# Altium PCB Elevator.PcbDoc (part 1 of 2) (continued)
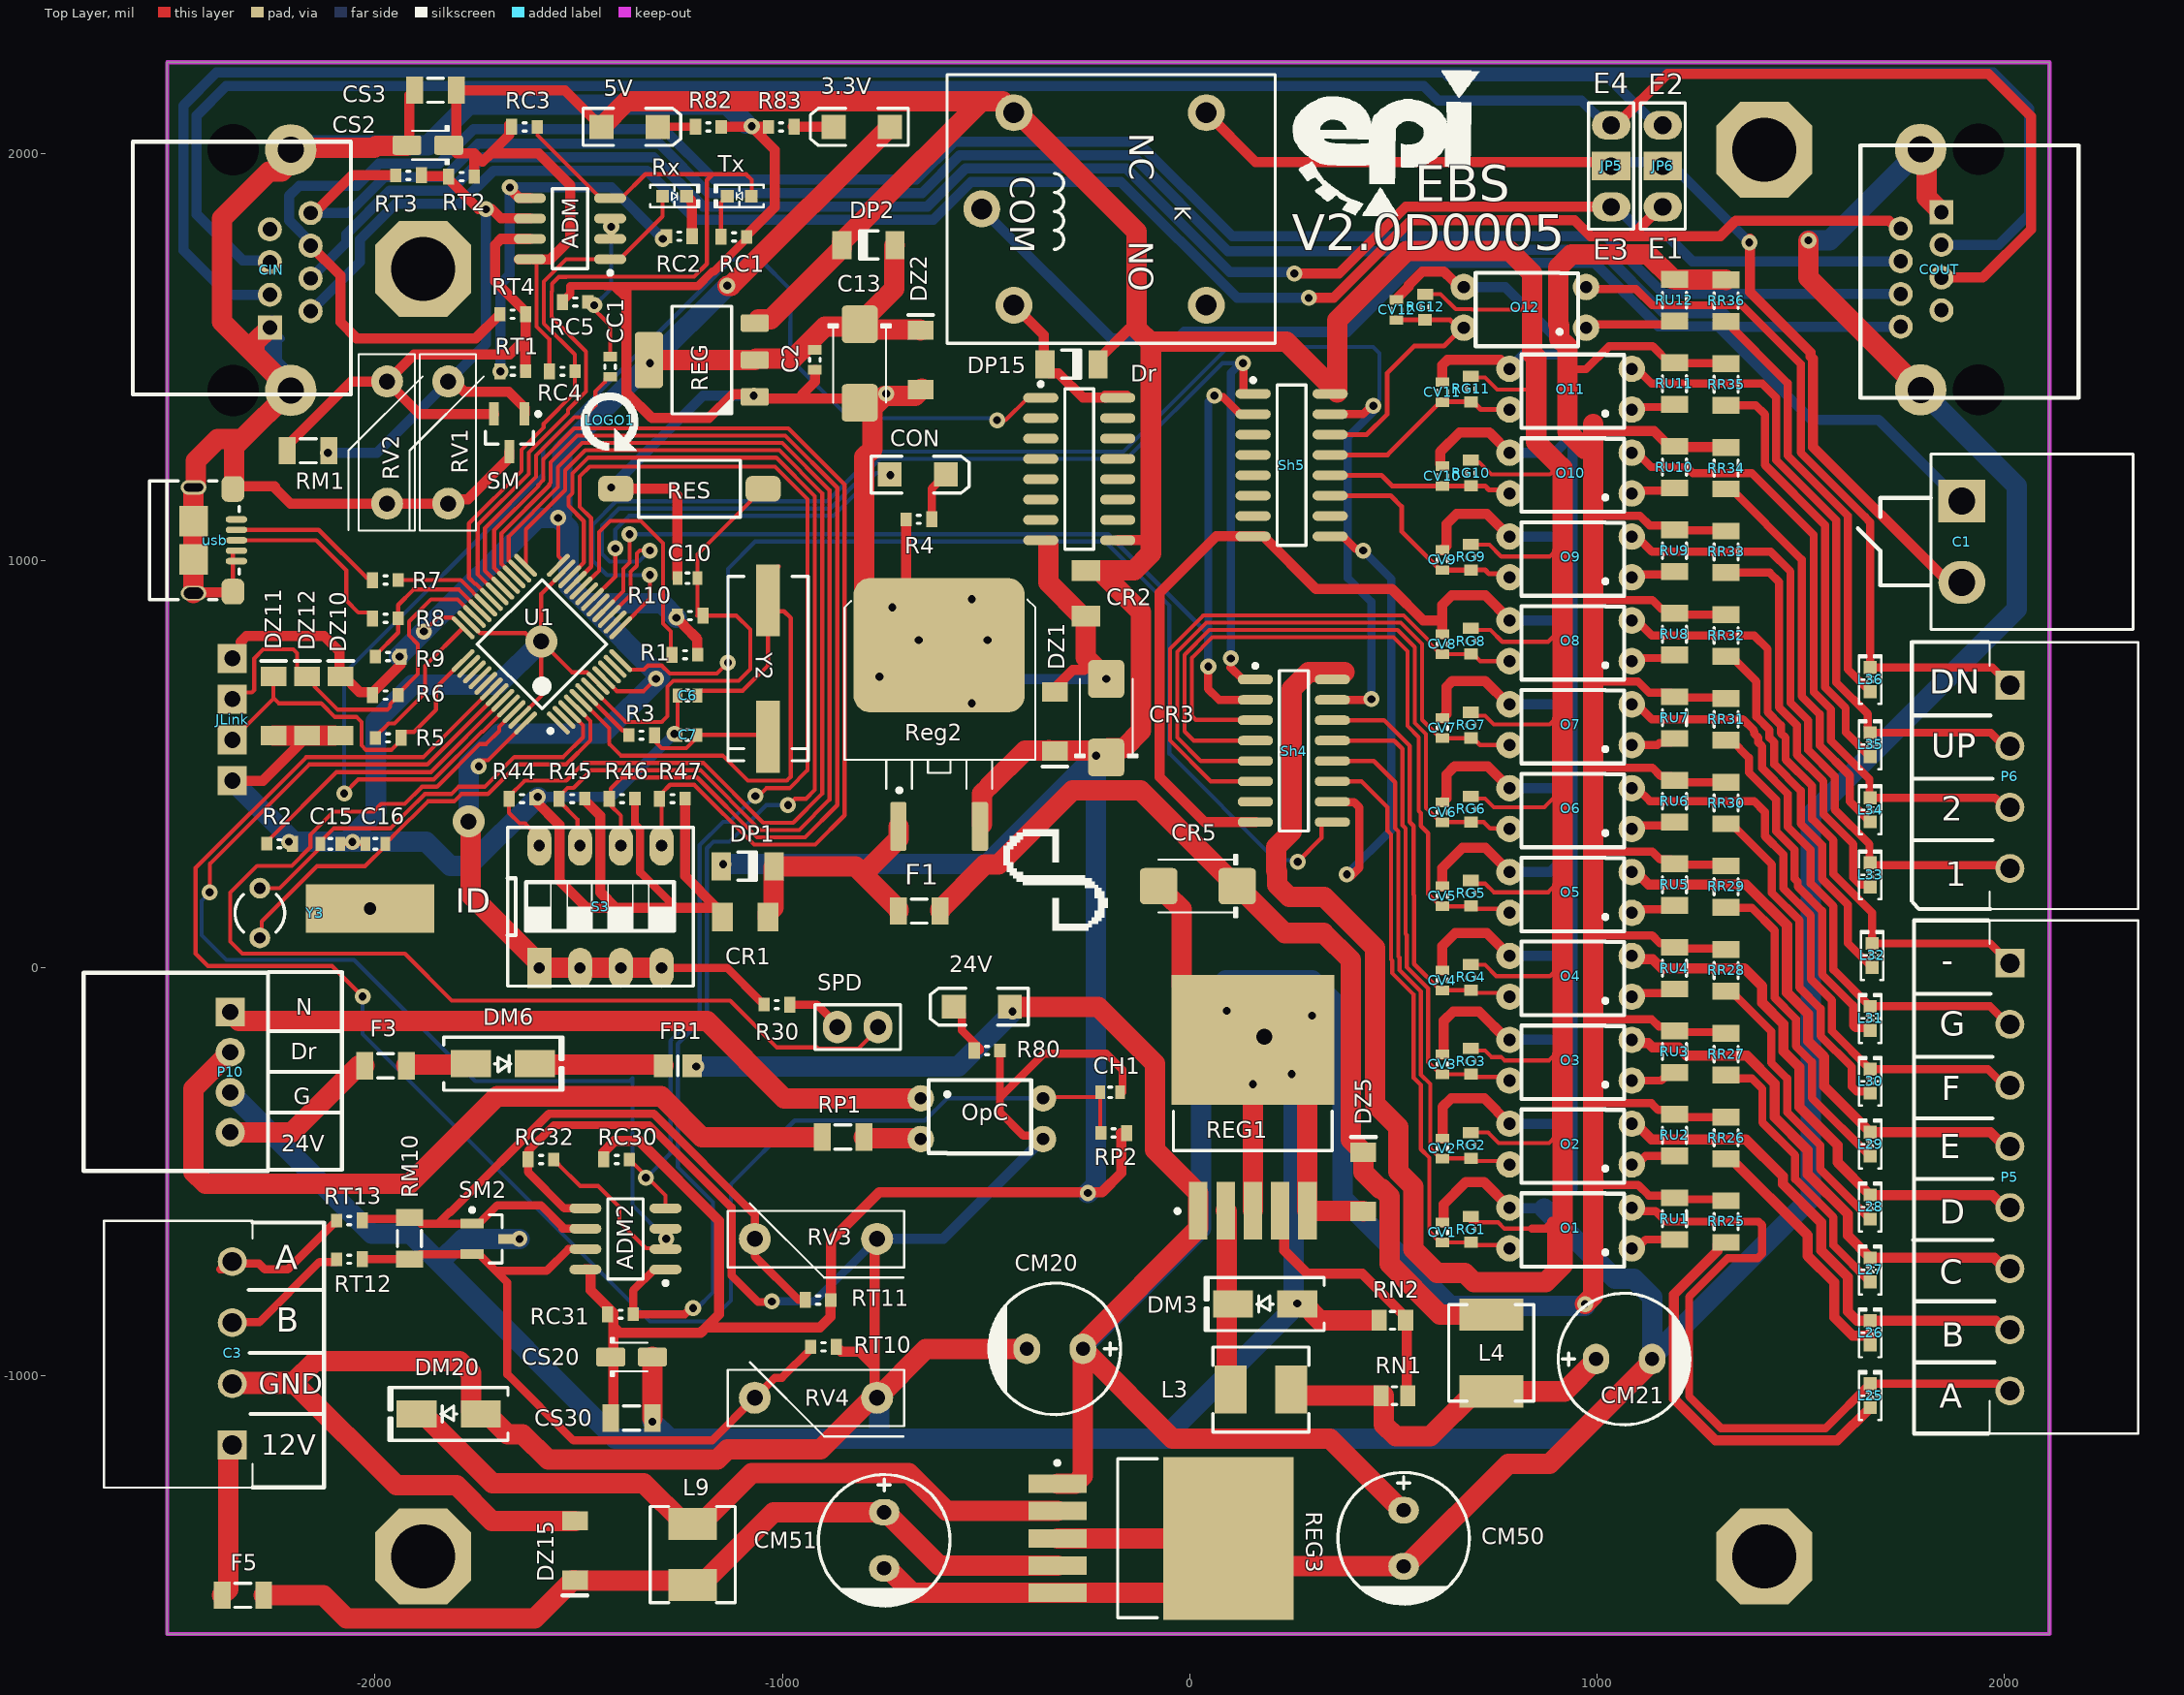
[diagram p0: Top Layer view]
## Components (designator, comment, footprint, x,y, rotation, side; value= is the part's Value field where it differs from the comment) (continued)
COUT "CN_MODJACK_8P" "CN_RJ45_TYCO_ DY122-8P8C-G" 1935.55,1419.41 r90 top
CR1 "330nF" 1206 -1091.44,125 r180 top
CR2 "100nF" 1206 -255,920 r270 top
CR3 "100uF" CAPMP6032X280N -205,613.21 r90 top
CR5 "100uF" CAPMP6032X280N 20,201.05 r180 top
CS2 "10uF" CAPMP3216X180N -1870,2020 r180 top
CS3 "100nF" SMD_CAP_1206 -1800,2155 r180 top
CS20 "10uF" CAPMP3216X180N -1370,-955 r0 top
CS30 "100nF" SMD_CAP_1206 -1421.18,-1105 r0 top
CV1 "1uF" SMD_CAP_0603 620,-649.28 r270 top
CV2 "1uF" SMD_CAP_0603 620,-442.95 r270 top
CV3 "1uF" SMD_CAP_0603 620,-236.62 r270 top
CV4 "1uF" SMD_CAP_0603 620,-30.28 r270 top
CV5 "1uF" SMD_CAP_0603 620,176.05 r270 top
CV6 "1uF" SMD_CAP_0603 620,382.38 r270 top
CV7 "1uF" SMD_CAP_0603 620,588.72 r270 top
CV8 "1uF" SMD_CAP_0603 620,795.05 r270 top
CV9 "1uF" SMD_CAP_0603 620,1001.38 r270 top
CV10 "1uF" SMD_CAP_0603 620,1207.72 r270 top
CV11 "1uF" SMD_CAP_0603 620,1414.05 r270 top
CV12 "1uF" SMD_CAP_0603 507.64,1615.26 r270 top
DM3 "1N5822" "DO214AC SMA" 185,-825 r180 top
DM6 "1N5822" "DO214AC SMA" -1686.04,-235 r0 top
DM20 "1N5822" "DO214AC SMA" -1818.58,-1095 r180 top
DP1 "1N4148" LL4148 -1085,250 r0 top
DP2 "1N4148" LL4148 -788.58,1775 r180 top
DP15 "1N4148" LL4148 -290,1482.34 r0 top
Dr "ULN2003" SO-16 -271.28,1225 r0 top
DZ1 "DZ5.6V 0.5W" Minimelf -330,605 r270 top
DZ2 "DZ3.6V 0.5W" Minimelf -661.28,1492.93 r90 top
DZ5 "DZ9.1V 0.5W" Minimelf 425.67,-525 r90 top
DZ10 "DZ3.6V 0.5W" Minimelf -2084.69,643.28 r90 top
DZ11 "DZ3.6V 0.5W" Minimelf -2249.61,643.28 r90 top
DZ12 "DZ3.6V 0.5W" Minimelf -2167.15,643.28 r90 top
DZ15 "DZ13V 0.5W" Minimelf -1507.88,-1430 r270 top
F1 "Fuse 1A 1206" "Fuse SMD 1206" -660,135 r0 top
F3 "Fuse 1A 1206" "Fuse SMD 1206" -1970,-245 r0 top
F5 "Fuse 1A 1206" "Fuse SMD 1206" -2320,-1545 r0 top
FB1 "BLM21PG" "R 0805 / 2012" -1256.6,-240 r180 top value=220OHM
JLink "Header Male Right 1x4" "Header 1x4 male rightangle" -2350,560 r90 top
JP5 "Jumper" "jumper selector" 1034.33,1868.8 r90 top
JP6 "Jumper" "jumper selector" 1161.11,1868.8 r90 top
K "Relay" "Relay 20x16x20 HJR" -510.37,1863.48 r270 top
L3 "Inductor" "CD45 SMD Inductor" 174.69,-1035 r0 top value=100uH3A
L4 "Inductor" "HPC6045 SMD INDUCTOR" 740,-945 r90 top value=22uH3A
L9 "Inductor" "CD45 SMD Inductor" -1220,-1440 r270 top value=100uH3A
L25 "RED" "LED 0603/1608 RED" 1670,-1050 r90 top
L26 "RED" "LED 0603/1608 RED" 1670,-895.61 r90 top
L27 "RED" "LED 0603/1608 RED" 1670,-741.22 r90 top
L28 "RED" "LED 0603/1608 RED" 1670,-586.83 r90 top
L29 "RED" "LED 0603/1608 RED" 1670,-432.44 r90 top
L30 "RED" "LED 0603/1608 RED" 1670,-278.05 r90 top
L31 "RED" "LED 0603/1608 RED" 1670,-123.66 r90 top
L32 "RED" "LED 0603/1608 RED" 1675,30.73 r90 top
L33 "RED" "LED 0603/1608 RED" 1670,228.62 r90 top
L34 "RED" "LED 0603/1608 RED" 1670,388.45 r90 top
L35 "RED" "LED 0603/1608 RED" 1670,548.28 r90 top
L36 "RED" "LED 0603/1608 RED" 1670,708.1 r90 top
LOGO1 "Warning!" "LOGO RESET" -1424.36,1345 r90 top
O1 "TLP521" PS2501-1 785,-688.26 r90 top
O2 "TLP521" PS2501-1 785,-482.33 r90 top
O3 "TLP521" PS2501-1 785,-276.4 r90 top
O4 "TLP521" PS2501-1 785,-70.47 r90 top
O5 "TLP521" PS2501-1 785,135.47 r90 top
O6 "TLP521" PS2501-1 785,341.4 r90 top
O7 "TLP521" PS2501-1 785,547.33 r90 top
O8 "TLP521" PS2501-1 785,753.26 r90 top
O9 "TLP521" PS2501-1 785,959.19 r90 top
O10 "TLP521" PS2501-1 785,1165.12 r90 top
O11 "TLP521" PS2501-1 785,1371.06 r90 top
O12 "TLP521" PS2501-1 672.64,1571.87 r90 top
OpC "PC814" PS2501-1 -360.05,-320 r270 top
P5 "XH8MR" "phonix 8pin right 3.81" 2013,11.92 r0 top
P6 "XH4MR" "phonix 4pin right 3.81" 2013,694.61 r0 top
P10 "XH4MR" CN_JST-B4B-S_XH -2355,-108.15 r90 top
R1 "10K" "RES 0603" -1207.61,768.99 r180 top
R2 "10K" "RES 0603" -2265,305 r0 top
R3 "390" "RES 0603" -1376.44,571.48 r0 top
R4 "500" "RES 0603" -696.29,1101.48 r0 top
R5 "10K" "RES 0603" -1998.99,565 r0 top
R6 "10K" "RES 0603" -1942.94,670 r180 top
R7 "20R" "RES 0603" -1942.94,952.44 r180 top
R8 "20R" "RES 0603" -1942.94,858.43 r180 top
R9 "1.5K" "RES 0603" -1998.99,764.42 r0 top
R10 "10K" "RES 0603" -1257.61,865.04 r0 top
R30 "10K" "RES 0603" -1045,-90 r0 top
R44 "10K" "RES 0603" -1607.75,415.53 r180 top
R45 "10K" "RES 0603" -1484.77,415.53 r180 top
R46 "10K" "RES 0603" -1361.79,415.53 r180 top
R47 "10K" "RES 0603" -1238.81,415.53 r180 top
R80 "5K" "RES 0603" -466.01,-202.6 r180 top
R82 "1K" "RES 0603" -1150,2065 r180 top
R83 "500" "RES 0603" -1033.99,2065 r0 top
RC1 "510" "RES 0603" -1087.68,1795 r180 top
RC2 "510" "RES 0603" -1284.36,1796.59 r0 top
RC3 "10k" "RES 0603" -1601.01,2065 r180 top
RC4 "10k" "RES 0603" -1508.91,1464.82 r180 top
RC5 "47K" "RES 0603" -1477.01,1635 r180 top
RC30 "10k" "RES 0603" -1375,-470 r180 top
RC31 "10k" "RES 0603" -1366.01,-850 r180 top
RC32 "10k" "RES 0603" -1561.01,-470 r180 top
REG "AMS1117-3.3" SOT223 -1197.53,1492.62 r180 top
REG1 "LM2576-Adj" TO-263-5 155,-341.75 r90 top
Reg2 "L7805" D2PAK-3 -615,570 r270 top value=variable
REG3 "LM2576-12" TO-263-5 -70.35,-1400 r0 top
RES "Button" "TE FSMSMTR" -1227.97,1176.48 r90 top
RG1 "20K" "RES 0603" 690,-673.28 r90 top
RG2 "20K" "RES 0603" 690,-466.94 r90 top
RG3 "20K" "RES 0603" 690,-260.61 r90 top
RG4 "20K" "RES 0603" 690,-54.28 r90 top
RG5 "20K" "RES 0603" 690,152.06 r90 top
RG6 "20K" "RES 0603" 690,358.39 r90 top
RG7 "20K" "RES 0603" 690,564.72 r90 top
RG8 "20K" "RES 0603" 690,771.06 r90 top
RG9 "20K" "RES 0603" 690,977.39 r90 top
RG10 "20K" "RES 0603" 690,1183.72 r90 top
RG11 "20K" "RES 0603" 690,1390.06 r90 top
RG12 "20K" "RES 0603" 577.64,1591.27 r90 top
RM1 "150" "RES 1206 (3216X08L)" -2112.8,1270 r180 top
RM10 "150" "RES 1206 (3216X08L)" -1915,-612.8 r270 top
RN1 "5.6K" "RES 0805 (2012X06L)" 470,-1050 r0 top
RN2 "1K" "RES 0805 (2012X06L)" 530,-865 r180 top
RP1 "180K" "RES 1206 (3216X08L)" -800,-415 r180 top
RP2 "20K" "RES 0603" -217.68,-405 r0 top
RR25 "5K" "RES 1206 (3216X08L)" 1316.14,-571.38 r270 top
RR26 "5K" "RES 1206 (3216X08L)" 1316.14,-365.86 r270 top
RR27 "5K" "RES 1206 (3216X08L)" 1316.14,-160.34 r270 top
RR28 "5K" "RES 1206 (3216X08L)" 1316.14,45.18 r270 top
RR29 "5K" "RES 1206 (3216X08L)" 1316.14,250.7 r270 top
RR30 "5K" "RES 1206 (3216X08L)" 1316.14,456.22 r270 top
RR31 "5K" "RES 1206 (3216X08L)" 1316.14,661.74 r270 top
RR32 "5K" "RES 1206 (3216X08L)" 1316.14,867.26 r270 top
RR33 "5K" "RES 1206 (3216X08L)" 1316.14,1072.78 r270 top
RR34 "5K" "RES 1206 (3216X08L)" 1316.14,1278.3 r270 top
RR35 "5K" "RES 1206 (3216X08L)" 1316.14,1483.82 r270 top
RR36 "5K" "RES 1206 (3216X08L)" 1316.14,1689.34 r270 top
RT1 "10K" "RES 0603" -1630.36,1464.82 r180 top
RT2 "10K" "RES 0603" -1756.33,1942.84 r180 top
RT3 "20" "RES 0603" -1948.74,1946 r0 top
RT4 "20" "RES 0603" -1693.35,1605 r0 top
RT10 "10K" "RES 0603" -930,-930 r0 top
RT11 "10K" "RES 0603" -881.01,-815 r180 top
RT12 "20" "RES 0603" -2093.99,-715 r0 top
RT13 "20" "RES 0603" -2093.99,-620 r0 top
RU1 "3.6K" "RES 1206 (3216X08L)" 1190,-564.28 r270 top
RU2 "3.6K" "RES 1206 (3216X08L)" 1190,-359.28 r270 top
RU3 "3.6K" "RES 1206 (3216X08L)" 1190,-154.28 r270 top
RU4 "3.6K" "RES 1206 (3216X08L)" 1190,50.72 r270 top
RU5 "3.6K" "RES 1206 (3216X08L)" 1190,255.72 r270 top
RU6 "3.6K" "RES 1206 (3216X08L)" 1190,460.72 r270 top
RU7 "3.6K" "RES 1206 (3216X08L)" 1190,665.72 r270 top
RU8 "3.6K" "RES 1206 (3216X08L)" 1190,870.72 r270 top
RU9 "3.6K" "RES 1206 (3216X08L)" 1190,1075.72 r270 top
RU10 "3.6K" "RES 1206 (3216X08L)" 1190,1280.72 r270 top
RU11 "3.6K" "RES 1206 (3216X08L)" 1190,1485.72 r270 top
RU12 "3.6K" "RES 1206 (3216X08L)" 1190,1690.72 r270 top
RV1 "Res Varistor 10D201K" "Varistor Short Hieght - Vertical" -1820,1290 r270 top
RV2 "Res Varistor 10D201K" "Varistor Short Hieght - Vertical" -1970,1290 r270 top
RV3 "Res Varistor 10D201K" "Varistor Short Hieght - Vertical" -917.42,-665 r0 top
RV4 "Res Varistor 10D201K" "Varistor Short Hieght - Vertical" -917.42,-1055 r0 top
Rx "RED" "LED 0603/1608 RED" -1264.36,1895 r0 top
S3 "SW DIP-4" "DIP Switch x4" -1596.29,0.52 r90 top
Sh4 "74HC165" SO-16 255.51,533.26 r0 top
Sh5 "74HC165" SO-16 250,1234.74 r0 top
SM "SM712 Diode" SOT23_BEC_M -1670,1313.94 r270 top
SM2 "SM712 Diode" SOT23_BEC_M -1715,-665 r0 top
SPD "Jumper" "Jumper Small - 2.54 - GRAY" -815,-145 r0 top
Tx "RED" "LED 0603/1608 RED" -1105.47,1895 r180 top
U1 "STM32F103CBT6" LQFP-48 -1590,795 r135 top
usb "USB Micro" "FCI USB 10118193-0001LF" -2443.03,1050.08 r90 top
Y2 "8 MHz" "Crystal SMD" -1035,712.88 r90 top
Y3 "32.768K" "XTAL RTC - Right" -2282.4,135 r0 top

## Footprints (in the part's own frame and the unit in brackets; to place one, negate y for a bottom-side part, rotate by r counter-clockwise, add the part's x,y. Pads: shape width x height; smd on the part's side, far side on the other; paste and mask are expansions set on the pad)
1206 [mm]
  rect 1.3x1.8 smd: 1(-1.425,0) 2(1.425,0)
  body extent -1.67,-0.87 1.68,0.87, height 0.71
"cap 03" [mil]
  oval 65x75 hole 35: 1(68.9,0) 2(-68.9,0)
  silkscreen extent -161,-161 161,161, body extent -159,-159 157,158, height 473
CAPMP3216X180N [mm] "Capacitor, polarized, Molded Body, EIA 535BAAC size A; 3.20mm L X 1.60mm W X 1.80mm H"
  round 0.508 on Mech15: 0(0,0)
  rrect25% 1.8x1.2 smd: 1(-1.3,0) 2(1.3,0)
  silkscreen extent -1.3,-1.2 1,1.2, body extent -1.6,-0.8 1.6,0.8, height 1.8
CAPMP6032X280N [mm] "Capacitor, polarized, Molded Body, EIA 535BAAC size C; 6.00mm L X 3.20mm W X 2.80mm H"
  round 0.508 on Mech15: 0(0,0)
  rrect25% 2.35x2.25 smd: 1(-2.45,0) 2(2.45,0)
  silkscreen extent -2.45,-1.95 2.45,1.95, body extent -3.87,-2.02 3.73,1.93, height 3.1
"CD45 SMD Inductor" [mm] "Wire Wound Inductor, 2-Leads, Body 4.00x5.00mm, IPC Medium Density"
  rect 2x3 smd: 1(-1.9,0) 2(1.9,0)
  silkscreen extent -3,-2.65 3,2.65, body extent -2.86,-2.6 5,2.6, height 4.5
CN_JST-B4B-S_XH [mm] "JST 2.5mm disconnectable crimp connector"
  rect 1.8x1.8 hole 1: 1(0,0)
  round 1.8 hole 1: 2(-2.5,0) 3(-5,0) 4(-7.5,0)
  silkscreen extent -9.91,-2.35 2.45,9.14, body extent -9.95,-2.3 2.45,9.2, height 6.1
"CN_RJ45_TYCO_ DY122-8P8C-G" [mm] "DY122-8P8C-G javan"
  rect 1.5x1.5 hole 0.9: 1(11.08,2.3)
  round 1.5 hole 0.9: 2(10.06,4.84) 3(9.04,2.3) 4(8.02,4.84) 5(7,2.3) 6(5.98,4.84) 7(4.96,2.3) 8(3.94,4.84)
  round 3.2 hole 1.63: 9(0,3.6) 9(15,3.6)
  round 0 hole 3.2: " "(0,0) " "(15,0)
  silkscreen extent -0.5,-6.25 15.25,7.35, body extent -1.75,-8.5 16.89,7.25, height 14.6
"Crystal SMD" [mm]
  rect 4.5x1.5 smd: 1(-3.683,0) 2(4.817,0)
  silkscreen extent -5.18,-2.5 6.32,2.5, body extent -5.64,-2.25 6.66,2.25, height 5.18
D2PAK-3 [mil]
  round 20 on Mech15: 0(0,0)
  rrect25% 120x40 smd: 1(222.5,-100) 3(222.5,100)
  rrect25% 330x420 smd: 4(-222.5,0)
  silkscreen extent -335,-232 139,236, body extent -361,-197 256,197, height 189
"DIP Switch x4" [mm]
  rect 2.5x1.5 hole 0.7: 1(0,0)
  oval 2.5x1.5 hole 0.7: 2(0,-2.54) 3(0,-5.08) 4(0,-7.62) 5(7.62,-7.62) 6(7.62,-5.08) 7(7.62,-2.54) 8(7.62,0)
  silkscreen extent -1.14,-9.6 8.76,1.98, body extent -1.14,-9.65 8.76,1.98, height 6.35
"DO214AC SMA" [mm]
  rect 2.5x1.7 smd: 1(-2,0) 2(2,0)
  silkscreen extent -3.68,-1.65 3.75,1.65, body extent -2.6,-1.37 2.6,1.37, height 2.4
"FCI USB 10118193-0001LF" [mm]
  oval 0.4x1.35 smd: 1(1.3,-2.625) 2(0.65,-2.625) 3(0,-2.625) 4(-0.65,-2.625) 5(-1.3,-2.625)
  oval 0.9x1.6 hole 0.7 slot 1.2 at 90 deg: S(-3.3,0.05)
  rrect50% 1.6x1.4 smd: S(-3.2,-2.4) S(3.2,-2.4)
  rect 1.9x1.8 smd: S(-1.2,0.05) S(1.2,0.05)
  oval 0.9x1.6 hole 0.5 slot 1.2 at 90 deg: S(3.3,0.05)
  silkscreen extent -3.7,-2.8 3.7,2.8, body extent -3.93,-2.9 3.93,2.76, height 2.78
"Fuse SMD 1206" [mm]
  rect 1.05x1.7 smd: 1(-1.397,0.127) 2(1.199,0.127)
  silkscreen extent -0.6,-0.62 0.4,0.88, body extent -1.14,-0.51 0.89,0.76, height 0.2
"Header 1x4 male rightangle" [mm]
  rect 1.8x1.8 hole 1: 1(-2.54,0) 2(0,0) 3(2.54,0) 4(5.08,0)
  body extent -3.81,-0.38 6.35,9.98, height 3.54
"HPC6045 SMD INDUCTOR" [mm] "Wire Wound Inductor, 2-Leads, Body 4.00x5.00mm, IPC Medium Density"
  rect 2x4 smd: 1(-2.4,0) 2(2.4,0)
  silkscreen extent -3,-2.65 3,2.65, body extent -2.86,-2.6 5,2.6, height 4.5
"jumper selector" [mm]
  oval 1.8x2.4 hole 1.1: 1(0,0) 3(5.08,0)
  rect 1.8x2.4 hole 1.1: 2(2.54,0)
  silkscreen extent -1.4,-1.4 6.48,1.4, body extent -1.24,-1.27 6.38,1.27, height 10.16
"Jumper Small - 2.54 - GRAY" [mil]
  oval 70x80 hole 40: 1(-50,0) 2(50,0)
  silkscreen extent -105,-55 105,55, body extent -100,-50 100,50, height 337
"LED 0603/1608 RED" [mm]
  rect 0.8x0.8 smd: 1(-0.75,0) 2(0.75,0)
  silkscreen extent -1.52,-0.7 1.52,0.7, body extent -0.8,-0.4 0.8,0.4, height 0.53
"LED SMD 1206" [mm]
  rect 1.5x1.5 smd: 1(-1.75,0) 2(1.75,0)
  silkscreen extent -2.9,-1.15 3.2,1.15, body extent -1.65,-0.76 1.65,0.69, height 1.36
LL4148 [mm] "MELF Diode, 2-Leads, Body 3.5x1.4mm, IPC Medium Density"
  rect 1.2x1.75 smd: 1(-1.65,0) 2(1.65,0)
  silkscreen extent -0.61,-0.87 0.57,0.87, body extent -1.78,-0.75 1.72,0.75, height 1.55
"LOGO RESET" [mil]
  silkscreen extent -76,-70 68,70
LQFP-48 [mm] "TSQFP, 48-Leads, Body 9,0x9,0mm (max), Pitch 0,50mm, IPC Medium Density"
  oval 1.9x0.3 smd: 1(-4.2,2.75) 2(-4.2,2.25) 3(-4.2,1.75) 4(-4.2,1.25) 5(-4.2,0.75) 6(-4.2,0.25) 7(-4.2,-0.25) 8(-4.2,-0.75) 9(-4.2,-1.25) 10(-4.2,-1.75) 11(-4.2,-2.25) 12(-4.2,-2.75) 25(4.2,-2.75) 26(4.2,-2.25) 27(4.2,-1.75) 28(4.2,-1.25) 29(4.2,-0.75) 30(4.2,-0.25) 31(4.2,0.25) 32(4.2,0.75) 33(4.2,1.25) 34(4.2,1.75) 35(4.2,2.25) 36(4.2,2.75)
  oval 0.3x1.9 smd: 13(-2.75,-4.2) 14(-2.25,-4.2) 15(-1.75,-4.2) 16(-1.25,-4.2) 17(-0.75,-4.2) 18(-0.25,-4.2) 19(0.25,-4.2) 20(0.75,-4.2) 21(1.25,-4.2) 22(1.75,-4.2) 23(2.25,-4.2) 24(2.75,-4.2) 37(2.75,4.2) 38(2.25,4.2) 39(1.75,4.2) 40(1.25,4.2) 41(0.75,4.2) 42(0.25,4.2) 43(-0.25,4.2) 44(-0.75,4.2) 45(-1.25,4.2) 46(-1.75,4.2) 47(-2.25,4.2) 48(-2.75,4.2)
  silkscreen extent -4.32,-2.85 2.85,3.57, body extent -4.5,-4.5 4.5,4.5, height 1.5
Minimelf [mm]
  rect 1.2x1.6 smd: 1(-1.85,-0.013) 2(1.85,-0.013)
  silkscreen extent 2.8,-0.8 2.8,0.75, body extent -1.75,-0.8 1.95,0.77, height 1.6
"phonix 2pin right 5.08" [mil]
  rect 115x105 hole 66: 1(0,100)
  oval 115x105 hole 66: 2(0,-100)
  silkscreen extent -76,-215 420,215, body extent -60,-199 410,208, height 310
"phonix 4pin right 3.81" [mm]
  rect 1.8x1.8 hole 1.2: 1(0,0)
  round 1.8 hole 1.2: 2(0,-3.81) 3(0,-7.62) 4(0,-11.43)
  silkscreen extent -1.27,-13.97 8,2.67, body extent -1.2,-14.03 8,2.6, height 7.32
"phonix 8pin right 3.81" [mm]
  rect 1.8x1.8 hole 1.2: 1(0,0)
  round 1.8 hole 1.2: 2(0,-3.81) 3(0,-7.62) 4(0,-11.43) 5(0,-15.24) 6(0,-19.05) 7(0,-22.86) 8(0,-26.67)
  silkscreen extent -1.27,-29.34 8,2.67, body extent -1.2,-29.27 8,2.6, height 7.32
PS2501-1 [mil]
  round 65 hole 30: 1(0,-300) 2(100,-300) 3(100,0) 4(0,0)
  silkscreen extent -45,-281 135,-29, body extent -40,-297 141,3, height 138
"R 0805 / 2012" [mm]
  rect 1.2x1.4 smd: 1(-0.9,0) 2(0.9,0)
  silkscreen extent 0,-0.6 0,0.6, body extent -1,-0.63 1,0.62, height 0.45
"Relay 20x16x20 HJR" [mm]
  round 2.3 hole 1.3: 1(0,0) 2(6,14) 3(-6,14) 4(-6,2) 5(6,2)
  silkscreen extent -8.38,-2.16 8.38,18.29, body extent -8.3,-2.03 8.3,18.27, height 20.2
"RES 0603" [mm] "Chip Resistor, 2-Leads, Body 1.6x0.8mm, IPC High Density _ (0.063W)"
  rect 0.7x0.85 smd: 1(0,0)
  rect 0.7x1 smd: 2(1.6,0)
  silkscreen extent 0.69,-0.25 0.89,0.25, body extent 0,-0.38 1.52,0.38, height 0.45
"RES 0805 (2012X06L)" [mm]
  rect 0.95x1.3 smd: 1(0,0) 2(1.65,0)
  silkscreen extent 0.67,-0.55 0.97,0.55, body extent -0.19,-0.63 1.84,0.64, height 0.6
"RES 1206 (3216X08L)" [mm]
  rect 1.05x1.7 smd: 1(0,0) 2(2.596,0)
  silkscreen extent 0.8,-0.75 1.8,0.75, body extent -0.23,-0.76 2.82,0.76, height 0.6
SMD_CAP_0603 [mm]
  rect 0.6x0.85 smd: 1(-0.622,0) 2(0.622,0)
  silkscreen extent -0.1,-0.33 0.1,0.33, body extent -0.76,-0.38 0.76,0.38, height 0.6
SMD_CAP_1206 [mm]
  rect 1.05x1.7 smd: 1(0,0) 2(2.596,0)
  silkscreen extent 0.8,-0.75 1.8,0.75, body extent -0.22,-0.77 2.82,0.75, height 0.75
SO8_NARROW_N [mm]
  oval 2x0.6 smd: 1(-2.5,1.905) 2(-2.5,0.635) 3(-2.5,-0.635) 4(-2.5,-1.905) 5(2.5,-1.905) 6(2.5,-0.635) 7(2.5,0.635) 8(2.5,1.905)
  silkscreen extent -2.63,-2.5 1.1,2.88, body extent -3.12,-2.39 3.07,2.44, height 1.7
SO-16 [mm]
  oval 2.2x0.6 smd: 1(-2.4,4.445) 2(-2.4,3.175) 3(-2.4,1.905) 4(-2.4,0.635) 5(-2.4,-0.635) 6(-2.4,-1.905) 7(-2.4,-3.175) 8(-2.4,-4.445) 9(2.4,-4.445) 10(2.4,-3.175) 11(2.4,-1.905) 12(2.4,-0.635) 13(2.4,0.635) 14(2.4,1.905) 15(2.4,3.175) 16(2.4,4.445)
  silkscreen extent -2.52,-5 0.9,5.42, body extent -3.1,-5.08 3.1,5.08, height 1.73
SOT23_BEC_M [mm] "SOT23, 3-Leads, Body 2.9x1.3mm, Pitch 0.95mm, Lead Span 2.4mm, IPC Low Density"
  rect 1.45x0.6 smd: 1(-1.175,0.95) 2(-1.175,-0.95) 3(1.175,0)
  silkscreen extent -1.3,-1.5 0.7,1.93, body extent -1.23,-1.45 1.07,1.45, height 1
SOT223 [mm] "SOT223 /SC-73"
  round 1 on Mech15: 0(0,0)
  rrect25% 1.75x1.1 smd: 1(-3.3,2.3) 2(-3.3,0) 3(-3.3,-2.3)
  rrect25% 1.75x3.5 smd: 4(3.3,0)
  silkscreen extent -1.85,-3.35 1.85,3.35, body extent -3.65,-3.35 3.65,3.35, height 1.8
"TE FSMSMTR" [mm]
  rrect50% 1.6x2.19 smd: 1(0,4.595) 2(0,-4.595)
  silkscreen extent -1.78,-3.17 1.78,3.17, body extent -1.75,-4.98 1.75,4.98, height 4.42
TO-263-5 [mm]
  rect 3.6x1.15 smd: 1(-6.45,3.4) 2(-6.45,1.7) 3(-6.45,0) 4(-6.45,-1.7) 5(-6.45,-3.4)
  rect 8.1x10.15 smd paste-5: 6(4.2,0)
  silkscreen extent -6.6,-4.95 -0.25,4.95, body extent -7.31,-5.08 7.33,5.08, height 4.57
"Varistor Short Hieght - Vertical" [mm]
  round 2 hole 1: 1(3.81,0) 2(-3.81,0)
  silkscreen extent -5.5,-2.41 5.5,2.22, body extent -5.5,-1.78 5.5,1.74, height 12
"XTAL RTC - Right" [mm]
  round 1.3 hole 0.7: 1(0,1.55) 2(0,-1.55)
  rect 8x3 hole 0.762: 3(6.878,0.276)
  silkscreen extent -1.55,-1.19 1.55,1.17, body extent -0.54,-1.44 10.23,2.01, height 3.1

## Part data
3.3V 5V 24V CON L25 L26 L27 L28 L29 L30 L31 L32 L33 L34 L35 L36 Rx Tx: library part LED, "Chip LED"
  Rx Tx: Price=845
ADM ADM2: library part MAX485CPA, Price=14700
C1: "Header, 2-Pin", LatestRevisionDate=17-Jul-2002, LatestRevisionNote="Re-released for DXP Platform.", Publisher="Altium Limited", system=connector
C2 CH1 CV1 CV2 CV3 CV4 CV5 CV6 CV7 CV8 CV9 CV10 CV11 CV12: library part Cap-Bipolar, "Bipolar Capacitor", Voltage=35V, Price=2800
C3 P6 P10: library part "Header 1x4"
C6 C7 C10 C15 C16 CS3 CS30: library part Cap-Bipolar, "Bipolar Capacitor", Voltage=100V
  C6 C7: ComponentLink1Description="Buy Link", ComponentLink1URL=http://nikushop.com/index.php?id_product=9033&controller=product, Price=902
  C10 C15: ComponentLink1Description="Buy Link", ComponentLink1URL=http://nikushop.com/index.php?id_product=13570&controller=product&search_query=1uF-0603&results=1, Price=2346
  C16: ComponentLink1Description="Buy Link", ComponentLink1URL=http://nikushop.com/index.php?id_product=9021&controller=product&search_query=10PF-0603&results=1, Price=1173
  CS3 CS30: Adding Date=1387/12/20, Designer="Saeid Jorablo", Organazation=ControTec
C13: library part Cap-Polar, "Polar Capacitor", Voltage=6V, Price=0
CC1 CR1 CR2: library part Cap-Bipolar, "Bipolar Capacitor", Voltage=50V
  CC1: ComponentLink1Description="Buy Link", ComponentLink1URL=http://nikushop.com/index.php?id_product=13570&controller=product&search_query=1uF-0603&results=1, Price=2346
  CR1 CR2: Price=753
CM20 CM50: library part Cap-Polar, "Polar Capacitor", Voltage=63V, Adding Date=1387/12/20, Designer="Saeid Jorablo", Organazation=ControTec
CM21 CM51: library part Cap-Polar, "Polar Capacitor", Voltage=25V, Adding Date=1387/12/20, Designer="Saeid Jorablo", Organazation=ControTec
CR3 CR5 CS2 CS20: library part Cap-Polar, "Polar Capacitor", Voltage=16V, Adding Date=1387/12/20, Designer="Saeid Jorablo", Organazation=ControTec
DM3 DM6 DM20 DP1 DP2 DP15: library part "Diode 1N4148", "High Conductance Fast Diode", Code_JEDEC=DO-204-AH, ComponentLink1Description="Manufacturer Link", ComponentLink1URL=http://www.fairchildsemi.com/, ComponentLink2Description=Datasheet, ComponentLink2URL=http://www.fairchildsemi.com/ds/1N%2F1N4148.pdf, DatasheetVersion=1997, LatestRevisionDate=17-Jul-2002, LatestRevisionNote="Re-released for DXP Platform.", PackageDescription="Diode, Axial; Body 3.8 x 1.9 mm (LxDia. max), Lead Dia. 0.53 mm (max)", PackageReference=DO-35, Published=8-Jun-2000, Publisher="Altium Limited"
DZ1 DZ2 DZ5 DZ10 DZ11 DZ12 DZ15: library part "D Zener", "Zener Diode", Voltage=5.1, Price=1840
F1 F3 F5: library part "Fuse 2", "Fuse", Current=0.5A, LatestRevisionDate=17-Jul-2002, LatestRevisionNote="Re-released for DXP Platform.", PackageDescription="Thru-Hole; 2 Leads", PackageReference=PIN-W2/E2.8, Published=8-Jun-2000, Publisher="Altium Limited"
FB1: library part Inductor, "Inductor", Code_IEC=1005, Code_JEITA=0402, LatestRevisionDate=29-May-2009, LatestRevisionNote="IPC-7351 Footprint Added.", PackageDescription="Chip Inductor", PackageReference=0805, Published=8-Jun-2000, Publisher="Altium Limited"
JLink: library part "Header 1*4"
JP5 JP6: library part "Jumper Selector", "Jumper Selector"
K: "RELAY 5V 7A 1C 5PIN", Company=E.P.I.L, Design_Date=2011/10/31, Designer="Eng. Saeid Jorablo"
LOGO1: library part WARNING, "WARNING & LOGO", Company=E.P.I.L, Design Date=11/6/2011
O1 O2 O3 O4 O5 O6 O7 O8 O9 O10 O11 O12: "HIGH DENSITY MOUNTING PHOTOTRANSISTOR OPTICALLY COUPLED ISOLATORS", Price=10914
OpC: library part TLP521, "HIGH DENSITY MOUNTING PHOTOTRANSISTOR OPTICALLY COUPLED ISOLATORS", Price=10914
P5: library part "Header 1x8"
R1 R2 R5 R6 R7 R8 R9 R10 R30 R44 R45 R46 R47 RG1 RG2 RG3 RG4 RG5 RG6 RG7 RG8 RG9 RG10 RG11 RG12 RP2 RR25 RR26 RR27 RR28 RR29 RR30 RR31 RR32 RR33 RR34 RR35 RR36 RU1 RU2 RU3 RU4 RU5 RU6 RU7 RU8 RU9 RU10 RU11 RU12: library part Resistor, "Resistor"
  R1 R2 R5 R6 R10 R30 R44 R45 R46 R47: ComponentLink1Description="Buy Link", ComponentLink1URL=http://www.roboeq.ir/products/detail/%D9%85%D9%82%D8%A7%D9%88%D9%85%D8%AA%2010%20%DA%A9%DB%8C%D9%84%D9%88%20%D8%A7%D9%87%D9%85%20SMD%200603/, Price=394
  R7 R8: ComponentLink1Description="Buy Link", ComponentLink1URL="20R Resistor R5, R6 RES 0603 (1608X06L) Resistor 2 276 552 http://nikushop.com/index.php?id_product=13587&controller=product", Price=276
  R9: ComponentLink1Description="Buy Link", ComponentLink1URL=http://kaelectronic.ir/index.php?route=product/product&product_id=6863&search=15kohm+0603, Price=597
  RG1 RG2 RG3 RG4 RG5 RG6 RG7 RG8 RG9 RG10 RG11 RG12 RP2 RR25 RR26 RR27 RR28 RR29 RR30 RR31 RR32 RR33 RR34 RR35 RR36 RU1 RU2 RU3 RU4 RU5 RU6 RU7 RU8 RU9 RU10 RU11 RU12: Price=617
R3 R4 R80 R82 R83 RC1 RC2 RC3 RC4 RC5 RC30 RC31 RC32 RM1 RM10 RN1 RN2 RT1 RT2 RT3 RT4 RT10 RT11 RT12 RT13: library part Resistor, "Resistor", Power=1/4W
  RC1 RC2: Price=276
  RC3 RC4 RC5 RC30 RC31 RC32 RM1 RM10 RT1 RT2 RT3 RT4 RT10 RT11 RT12 RT13: Price=394
  RN1: Price=506
  RN2: Price=680
REG: library part REG1117A-2.5/2K5, ")", ComponentLink1Description="Manufacturer URL", ComponentLink1URL=http://www.ti.com/, ComponentLink2Description=Datasheet, ComponentLink2URL=http://www.ti.com/general/docs/lit/getliterature.tsp?genericPartNumber=REG1117A-25&fileType=pdf, ComponentLink3Description="Package Specification", ComponentLink3URL=http://www.ti.com/litv/pdf/mpds094a, Price=4200
REG1 REG3: library part LM2596, Price=5700
Reg2: "Voltage Regulator IC, D2PAK SMD, L7805", Manufacturer 1="ON Semiconductor", Package / Case=D2PAK, Ratings="40V; 1.5A", Supplier Part Number 1=LM317D2TGOS-ND, Tolerance=0.04%, Voltage Regulator Type="Adjustable Positive Linear", Manufacturer Part Number 1=L7805, SCDType=spec*, Supplier 1=Digi-Key
RES: library part "SPST-NO 2 PIN", ComponentLink1Description="Buy Link", ComponentLink1URL=https://eshop.eca.ir/%D8%AA%DA%A9-%D8%B3%D9%88%D8%A6%DB%8C%DA%86/6472-%D8%AA%DA%A9-%D8%B3%D9%88%D8%A6%DB%8C%DA%86-smd-%D8%B3%D8%A7%DB%8C%D8%B2-3x6x25-%D8%B2%D8%B1%D8%AF-%D8%A8%D8%B3%D8%AA%D9%87-10-%D8%AA%D8%A7%DB%8C%DB%8C.html, Price=1900
RP1: library part Resistor, "Resistor", Power=1W, Buy Site=ickala.com, IC Name=Resistor, Index=Ri, Price=4125
RV1 RV2 RV3 RV4: library part "Res Varistor", "Varistor (Voltage-Sensitive Resistor)", Code_IPC=RESC2012, LatestRevisionDate=29-May-2009, LatestRevisionNote="IPC-7351 Footprint Added.", PackageDescription="Chip Resistor 0805 Case Size", PackageReference=6-0805, PackageVersion=Mar-2003, Published=24-Mar-1999, Publisher="Altium Limited"
S3: "DIP Switch, 4 Position, SPST", Code_IPC=SOIC127P600-8, Code_JEDEC=MS-012-AA, LatestRevisionDate=29-May-2009, LatestRevisionNote="IPC-7351 Footprint Added.", PackageDescription="8-Pin Small Outline Integrated Circuit 1.27 mm Pitch", PackageReference=SO8, PackageVersion=Dec-2002, Published=24-Mar-1999, Publisher="Altium Limited"
U1: "STM32 ARM-based 32-bit MCU with 128 Kbytes Flash, 48-pin LQFP, Industrial Temperature", ComponentLink1Description="Manufacturer Link", ComponentLink1URL=www.st.com/stm32, ComponentLink2Description=Datasheet, ComponentLink2URL=http://www.st.com/stonline/products/literature/ds/13587.pdf, DatasheetVersion="rev6, Mar-2008", PackageDescription="48-Pin Low-Profile Quad Flat Pack, 7 x 7 mm Body, 0.5 mm Pitch (LQFP48)", PackageReference=LQFP48, PackageVersion=Mar-2008, Published=30-May-2008, Publisher="Altium Limited"
usb: library part "USB 2.0 Type B Micro", ComponentLink1Description="Buy Link", ComponentLink1URL=http://nikushop.com/index.php?id_product=11066&controller=product, Price=14934
Y2 Y3: library part XTAL, "XTAL Crystal"
  Y2: Price=20000
  Y3: ComponentLink1Description="Buy Link", ComponentLink1URL=http://www.roboeq.ir/products/detail/%DA%A9%D8%B1%DB%8C%D8%B3%D8%AA%D8%A7%D9%84%2032.768%20%DA%A9%DB%8C%D9%84%D9%88%D9%87%D8%B1%D8%AA%D8%B2/, Price=5900
L3 L4 L9: Code_IEC=1005, Code_JEITA=0402, LatestRevisionDate=29-May-2009, LatestRevisionNote="IPC-7351 Footprint Added.", PackageDescription="Chip Inductor", PackageReference=0402-A, Published=8-Jun-2000, Publisher="Altium Limited"
Sh4 Sh5: Price=16000
SPD: Company=E.P.I.L, Defualt State=Close, Design Date=2011/11/02

## Free pads (board coordinates)
  oct 236.22x236.22 hole 157.48: 0(-1881.69,-1444.69) 0(-1881.69,1716.26) 0(1410,-1444.69) 0(1410,2008.7)

## Via types
v1: diameter 39.37, hole 19.68, Top Layer to Bottom Layer, 72 vias
v2: diameter 78.74, hole 39.37, Top Layer to Bottom Layer, 3 vias

## Nets (pads, with @x,y where several pads share a name; then routed paths per layer and width w, separated by ;. In a path a pad name is that pad's centre, name@x,y a point inside that pad or via, vN(x,y) a via of type N, cw(c..) or ccw(c..) an arc to the next point about the centre after c; other vN are vias at no path point)
3.3v: 3.3V.1 C2.2 C13.1 DP2.1 DZ2.2 DZ10.2 JLink.4 R1.1 R5.1 R6.2 R9.2 R10.1 R30.1 REG.2 REG.4 S3.1 S3.2 S3.3 S3.4 U1.9 U1.24 U1.36 U1.48 | length 6744
  Top Layer w10: R5.1@-1998.99,565 -1998.99,567.95 -1966.41,600.54 -1951.53,600.54 -1876.59,675.48 -1876.59,742.25 U1.36@-1783.48,835.37 -1801.62,853.51 -1802.81,853.51 -1809.42,860.12 -1846.22,860.12 v1(-1880,826.34) ; v1@-1740,510 -1721.89,510 U1.48@-1630.37,601.52 ; v1(-1550,1105) -1550,1011.26 -1542.64,1003.9 ; U1.9@-1423.34,696.66 -1406.38,679.7 -1340.3,679.7 v1(-1310,710)
  Top Layer w20: S3.4@-1296.29,0.52 -1135.52,0.52 -1051.73,-83.27 -1048.78,-83.27 -1045,-87.05 R30.1@-1045,-90
  Top Layer w25: -2330,800 -2315,815 -2125,815 -2087.24,777.24 -2087.24,723.84 DZ10.2@-2079.51,716.11 ; DZ10.2@-2084.19,716.11 DZ10.2@-2079.51,716.11 ; R6.2@-2005.93,670 R6.2@-2005.93,675.91 ; -1937.28,744.56 R6.2@-2005.93,675.91 ; v1(-1260,860) -1240.8,840.8 -1240.8,839.87 -1208.3,807.37 -1208.3,769.68 R1.1@-1207.61,768.99 ; v1(-1135,1675) -1132.25,1677.75 v1@-1123.35,1677.75 ; DZ10.2@-2079.51,716.11 -2076.32,716.11 -2037.39,677.19 -2007.21,677.19 R6.2@-2005.93,675.91
  Top Layer w50: v2@-1765,355 -1765,179.57 -1596.29,10.86 S3.1@-1596.29,0.52 S3.2@-1496.29,0.52 S3.3@-1396.29,0.52 S3.4@-1296.29,0.52 ; REG.4@-1327.45,1492.62 REG.2@-1067.61,1492.62 -1064.26,1495.97 -974.03,1495.97 -895,1575 C13.1@-804.54,1575 ; v1(-1135,1675) -1126.1,1675 -1123.35,1677.75 3.3V.1@-736.1,2065 ; DP2.1@-723.62,1775 -725,1773.62 -725,1667.43 -810,1582.43 C13.1@-810,1580.46 C13.1@-804.54,1575 ; DZ2.2@-660.78,1565.76 -662.16,1567.14 -796.68,1567.14 C13.1@-804.54,1575
  Bottom Layer w50: v1@-1940.45,765.89 v1(-1880,826.34) -1601.34,1105 v1(-1550,1105) ; v2(-1770,360) -1770,500 -1695,575 -1440,575 -1300,715 -1480,895 ; v1(-1260,860) -1295,895 -1480,895 ; v1(-1135,1675) v1(-1325,1485) -1540,1270 -1540,1115 v1(-1550,1105) ; v1(-1550,1105) -1525,1080 -1525,940 -1480,895
  other v1: -1745,495 -1938.99,764.42
8V: CR1.1 DP1.2 F1.1 Reg2.1 | length 662.9
  Top Layer w50: CR1.1@-1035.34,125 -1035.34,134.84 -1021.42,148.77 -1021.42,248.62 DP1.2@-1020.04,250 -820.87,250 -801.68,230.82 -715,317.5 Reg2.1@-715,347.5 ; -820.06,249.19 -715,144.13 F1.1@-715,140
12V: C3.1 F5.1 | length 379.7
  Top Layer w50: F5.1@-2375,-1540 -2360,-1525 -2360,-1180.67 C3.1@-2350,-1170.67
24V: 24V.1 CM20.1 CM50.1 FB1.1 REG1.1 REG3.1 RR25.1 RR26.1 RR27.1 RR28.1 RR29.1 RR30.1 RR31.1 RR32.1 RR33.1 RR34.1 RR35.1 RR36.1 RU1.1 RU2.1 RU3.1 RU4.1 RU5.1 RU6.1 RU7.1 RU8.1 RU9.1 RU10.1 RU11.1 RU12.1 | length 12998.8
  Top Layer w20: 926.6,1470 972.49,1470 1029.11,1526.61 1136.31,1526.61 1177.2,1485.72 RU11.1@1190,1485.72 1190.95,1484.77 1315.19,1484.77 RR35.1@1316.14,1483.82 ; 990,-508.28 1014.42,-532.7 1100.68,-532.7 1126.54,-558.56 1184.27,-558.56 RU1.1@1190,-564.28 1193.55,-567.83 1312.6,-567.83 RR25.1@1316.14,-571.38 ; 990,-320 1001.96,-331.96 1133.19,-331.96 1149.85,-348.62 1179.33,-348.62 RU2.1@1190,-359.28 1196.57,-365.86 RR26.1@1316.14,-365.86 ; 990,-105 1011.02,-126.02 1134.13,-126.02 1151.72,-143.62 1179.33,-143.62 RU3.1@1190,-154.28 1193.03,-157.31 1313.12,-157.31 RR27.1@1316.14,-160.34 ; 990,95 1005.09,79.91 1135.06,79.91 1153.58,61.38 1179.33,61.38 RU4.1@1190,50.72 1192.77,47.95 1313.38,47.95 RR28.1@1316.14,45.18 ; 990,310 1014.16,285.84 1135.37,285.84 1154.83,266.38 1179.33,266.38 RU5.1@1190,255.72 1192.51,253.21 1313.63,253.21 RR29.1@1316.14,250.7 ; 990,510 1008.23,491.77 1135.37,491.77 1155.76,471.38 1179.33,471.38 RU6.1@1190,460.72 1194.49,456.22 RR30.1@1316.14,456.22 ; 990,715 1002.11,702.89 1100.68,702.89 1127.18,676.38 1179.33,676.38 RU7.1@1190,665.72 1191.99,663.73 1314.15,663.73 RR31.1@1316.14,661.74 ; 990,915.12 1001.49,903.64 1135.37,903.64 1157.62,881.38 1179.33,881.38 RU8.1@1190,870.72 1193.45,867.26 RR32.1@1316.14,867.26 ; 990,1115 995,1110 1105.43,1110 1129.05,1086.38 1179.33,1086.38 RU9.1@1190,1075.72 1191.47,1074.25 1314.67,1074.25 RR33.1@1316.14,1072.78
  Top Layer w25: 990,1335 1006.82,1318.18 1139.74,1318.18 1177.2,1280.72 RU10.1@1190,1280.72 1191.21,1279.51 1314.93,1279.51 RR34.1@1316.14,1278.3
  Top Layer w50: 24V.1@-441.47,-95 -225,-95 -85,-235 -85,-446.04 21.14,-552.19 REG1.1@21.14,-595.69 21.14,-639.19 -259.33,-919.67 -259.33,-932.13 CM20.1@-262.2,-935 CM20.1@-262.2,-935.94 ; REG3.1@-324.29,-1266.14 -280.79,-1266.14 -262.2,-1247.56 CM20.1@-262.2,-935.94 ; CM50.1@525,-1331.1 520,-1331.1 343.9,-1155 -42.2,-1155 -254.33,-942.87 -255.28,-942.87 CM20.1@-262.2,-935.94 ; v1(970,-825) 990,-805 990,-508.28 990,-320 990,-105 990,95 990,310 990,510 990,715 990,915.12 990,1115 990,1267 ; 990,1335 990,1267 ; RR36.1@1316.14,1689.34 1315.45,1690.03 1190.69,1690.03 RU12.1@1190,1690.72 1185.87,1690.72 1124.87,1751.72 937.18,1751.72 904.8,1719.34 904.8,1579.45 907.26,1576.99 907.26,1544.79 926.6,1525.45 926.6,1470 926.6,1316.55 969.69,1273.46 983.54,1273.46 990,1267
  Bottom Layer w50: v1(-1211.17,-241.79) -568.64,-241.79 v1@-435,-108.15 ; CM20.1@-262.2,-935 -262.2,-930 28.25,-639.55 28.25,-90 88.25,-30 300,-30 375,-105 375,-565.68 639.16,-829.84 v1@970,-829.84
  other v1: -435,-106.79
24V_IN: F3.1 P10.4 | length 402.7
  Top Layer w50: P10.4@-2360,-403.43 P10.4@-2355,-403.43 -2203.43,-403.43 -2040,-240 F3.1@-2025,-240
485+_Cabin: ADM2.6 RM10.1 RT11.2 RT13.2 RV3.2 SM2.1 | length 1862.4
  Top Layer w20: RT13.2@-2031,-616.4 -1918.6,-616.4 RM10.1@-1915,-612.8 -1902.2,-612.8 -1887.4,-627.6 -1845,-627.6 ; ADM2.6@-1483.43,-640 -1540,-640 -1540,-635 -1592.56,-582.44 -1699.37,-582.44 -1744.53,-627.6 SM2.1@-1761.26,-627.6 -1845,-627.6 ; RT11.2@-944,-815 -960,-815 -1067.42,-707.58 RV3.2@-1067.42,-665 -1067.42,-605.68 -1315.22,-357.87 -1572.87,-357.87 -1814.67,-599.67 -1817.07,-599.67 -1845,-627.6
485+_Comm: ADM.6 RM1.1 RT2.2 RT3.2 RV1.2 SM.1 | length 1361.9
  Top Layer w25: RT3.2@-1885.75,1946 -1885.75,1945.7 -1884.47,1944.42 -1820.6,1944.42 -1819.32,1943.14 RT2.2@-1819.32,1942.84 -1819.32,1936.94 -1745.13,1862.75 v1(-1727.8,1862.75) -1712.74,1862.75 -1690.68,1840.69 -1620.15,1840.69 ADM.6@-1619.46,1840 ; RV1.2@-1820,1440 -1805.46,1440 -1780.46,1415 -1672.04,1415 -1632.6,1375.56 SM.1@-1632.6,1360.2
  Bottom Layer w25: v1@-2105,1265 -1995,1265 -1727.8,1532.2 v1(-1727.8,1862.75)
  other v1: -2115,1265
485-_Cabin: ADM2.7 RM10.2 RT10.1 RT12.2 RV4.2 SM2.2 | length 1771.4
  Top Layer w20: RT12.2@-2031,-715 RM10.2@-1915,-715 -1902.2,-715 -1889.61,-702.4 SM2.2@-1761.26,-702.4 -1744.53,-702.4 -1703.19,-743.74 ; RM10.2@-1930,-705 -1930,-705.69 RM10.2@-1928.19,-707.5 ; ADM2.7@-1483.43,-690 -1525.16,-690 -1578.9,-743.74 -1703.19,-743.74 ; RT10.1@-930,-930 -930,-934.92 -1001.03,-1005.95 -1018.36,-1005.95 RV4.2@-1067.42,-1055 -1172.42,-1160 -1512.6,-1160 -1675,-997.6 -1675,-771.93 -1703.19,-743.74
485-_Comm: ADM.7 RM1.2 RT1.1 RT4.2 RV2.2 SM.2 | length 1512.7
  Top Layer w25: RM1.2@-2215,1270 -2215,1282.8 -2057.8,1440 RV2.2@-1970,1440 ; SM.2@-1707.4,1360.2 -1890.2,1360.2 RV2.2@-1970,1440 ; ADM.7@-1619.46,1790 -1690.36,1790 -1705,1775.36 -1705,1685.55 -1630.36,1610.91 RT4.2@-1630.36,1605 RT1.1@-1630.36,1464.82 -1631.48,1465.94 -1631.48,1543.88 -1668.89,1506.47 -1903.53,1506.47 RV2.2@-1970,1440
A11: R7.1 U1.32 | length 240.6
  Top Layer w10: R7.1@-1942.94,952.44 -1789.2,952.44 U1.32@-1727.8,891.04
A12: R8.1 R9.1 U1.33 | length 388.4
  Top Layer w10: R9.1@-1998.99,764.42 -1998.99,767.37 -1942.94,823.42 R8.1@-1942.94,858.43 -1942.94,891.2 -1905.05,929.09 -1793.69,929.09 U1.33@-1741.72,877.12
A15: U1.38
B12: R44.2 S3.8 U1.25 | length 2761.2
  Top Layer w10: U1.25@-1629.08,985.92 -1629.08,988.48 -1629.08,1076.96 -1532.76,1173.29 -1532.76,1221.88 -1483.63,1271 -1007.44,1271 -902.13,1165.69 -902.13,427.87 -973.34,356.66 -1046.98,356.66 -1193.94,503.62 -1486.38,503.62 -1530,460 -1617.19,460 -1632.18,460 -1670.74,421.43 R44.2@-1670.74,415.53 -1670.74,380.84 -1645.12,355.22 -1631.3,355.22 -1596.29,320.21 S3.8@-1596.29,300.52
B13: R45.2 S3.7 U1.26 | length 2740.7
  Top Layer w10: U1.26@-1643.95,972.94 -1671.42,1000.41 -1671.42,1059.91 -1550.63,1180.69 -1550.63,1229.29 -1491.04,1288.88 -1000.04,1288.88 -884.25,1173.09 -884.25,413.2 -958.66,338.79 -1054.39,338.79 -1201.35,485.75 -1468.47,485.75 -1512.05,442.17 -1527.03,442.17 -1547.76,421.43 R45.2@-1547.76,415.53 -1547.76,409.62 -1502.88,364.74 -1502.88,307.11 S3.7@-1496.29,300.52
B14: R46.2 S3.6 U1.27 | length 2717.6
  Top Layer w10: U1.27@-1658.21,960.64 -1658.21,961.13 -1689.29,992.22 -1689.29,1067.31 -1571.6,1185 -1571.6,1187.84 -1568.5,1190.94 -1568.5,1241.7 -1503.46,1306.75 -992.63,1306.75 -865.16,1179.27 -865.16,399.84 -944.09,320.91 -1061.79,320.91 -1208.75,467.87 -1393.65,467.87 -1421.18,440.34 -1421.18,398.81 -1396.29,373.92 S3.6@-1396.29,300.52
B15: R47.2 S3.5 U1.28 | length 2682.2
  Top Layer w10: U1.28@-1672.12,946.72 -1672.12,947.21 -1707.16,982.25 -1707.16,1074.71 -1598.44,1183.44 ; -1599.86,1184.86 -1586.38,1198.34 -1586.38,1249.11 -1510.86,1324.63 -985.23,1324.63 -847.28,1186.68 -847.28,375 -919.24,303.04 -1069.19,303.04 -1216.15,450 -1275.36,450 -1296.29,429.07 S3.5@-1296.29,300.52
ChA: CIN.8 COUT.8 RT3.1 | length 4486.4
  Top Layer w25: CIN.8@-2157.75,1853.58 -2148.53,1853.58 -2056.12,1946 RT3.1@-1948.74,1946
  Bottom Layer w25: CIN.8@-2157.75,1853.58 -2064.4,1853.58 -1976.23,1941.75 -1828.58,1941.75 -1746.91,2023.42 -1301.93,2023.42 -1181.07,1902.56 -657.12,1902.56 -563.93,1995.75 -141.85,1995.75 93.9,1760 538.51,1760 541.95,1763.44 1008.05,1763.44 1163.62,1607.87 1310.74,1607.87 1344.08,1574.53 COUT.8@1745,1574.53
ChB: CIN.6 COUT.6 RT4.1 | length 5064.9
  Top Layer w25: CIN.6@-2157.75,1773.27 -2084.48,1700 -2084.48,1585.55 -2045,1546.07 -1752.28,1546.07 -1697.58,1600.77 -1694.63,1600.77 -1693.35,1602.05 RT4.1@-1693.35,1605
  Bottom Layer w25: CIN.6@-2157.75,1773.27 -2157.75,1782.48 -2211.01,1835.74 -2211.01,1895 -2186.01,1920 -2044.47,1920 -1989.85,1974.63 -1842.19,1974.63 -1756.82,2060 -1292.02,2060 -1167.45,1935.43 -670.74,1935.43 -577.54,2028.62 -128.24,2028.62 104.07,1796.32 1021.66,1796.32 1163.14,1654.84 COUT.6@1745,1654.84
ClockEn: Sh4.15 Sh5.15 U1.13 | length 3621.2
  Top Layer w10: U1.13@-1396.52,835.37 -1325,906.89 v1(-1325,965)
  Top Layer w20: Sh5.15@344.49,1359.74 425.17,1359.74 v1@445.43,1380 ; Sh4.15@350,658.26 v1@443.26,658.26
  Bottom Layer w10: v1(-1325,965) -1325.43,964.57 -1430.03,964.57 -1465.43,999.97 -1465.43,1088.52 -1408.21,1145.75 -889.53,1145.75 -767.4,1267.87 -162.4,1267.87 94.72,1525 450,1525 465.67,1509.33 465.67,1395 v1(450.67,1380)
  Bottom Layer w20: v1(445.67,660) 445.67,899.33 388.11,956.89 388.11,1303.11 v1@455,1370
ClockPin: Sh4.2 Sh5.2 U1.16 | length 2713.8
  Top Layer w10: U1.16@-1438.28,877.12 -1390,925.4 -1390,980 -1375,995 v1(-1375,1065)
  Top Layer w20: v1@45,745 45,685 71.74,658.26 Sh4.2@161.02,658.26 ; v1@60,1400 61.29,1401.29 82.46,1401.29 124.02,1359.74 Sh5.2@155.51,1359.74
  Bottom Layer w10: v1(-1375,1065) -200,1065 45,820 45.67,819.33
  Bottom Layer w20: 45,825 45,820 45,740.67 v1(45.67,740) ; 45.67,819.33 45.67,1390.67 v1@60,1405
  other v1: 60.67,1405
Co1: U1.2
Control: Dr.1 U1.45 | length 3242.6
  Top Layer w10: v1(-2075.34,428.21) -2040.67,462.87 -1855.09,462.87 -1737.56,580.4 -1735,580.4 U1.45@-1672.12,643.28 ; v1(-472.84,1345) -452.26,1345 -397.26,1400 Dr.1@-365.77,1400
  Bottom Layer w10: v1(-2075.34,428.21) -2075.34,723.23 -1587.24,1211.32 -1587.24,1276.32 -1124.25,1739.31 -1054.31,1739.31 -980,1665 -980,1585.69 -980.34,1585.34 -980.34,1495.34 -835,1350 v1@-470,1350
CS485_Cabin: ADM2.2 ADM2.3 RC32.1 U1.43 | length 3137.9
  Top Layer w10: v1@-2405,185 -2405,255.86 -2161.21,499.65 -1871.43,499.65 U1.43@-1699.96,671.12 ; RC32.1@-1561.01,-470 -1561.01,-474.92 -1554.2,-481.73 -1549.28,-481.73 -1496.01,-535 -1452.2,-535 -1400,-587.2 -1400,-623.26 -1335,-688.26 -1288.31,-688.26 ADM2.2@-1286.57,-690 ADM2.3@-1286.57,-640
  Bottom Layer w10: v1@-2405,185 -2425,165 -2425,80.52 -2364.48,20 -2051.18,20 -1753.78,-277.4 -1374.72,-277.4 -1367.56,-270.23 -1367.56,-582.44 v1(-1285,-665)
  other v1: -2405.71,185.88
CS485_Comm: CC1.1 U1.29 | length 662
  Top Layer w10: U1.29@-1700.11,945.59 -1730,975.48 -1730,1080 -1604.25,1205.75 -1604.25,1257.95 -1510.01,1352.19 -1487.16,1352.19 -1458.89,1380.47 -1458.89,1415.31 -1434.34,1439.86 -1434.34,1444.78 -1427.53,1451.59 CC1.1@-1422.61,1451.59
DataPin: U1.14
DataPin2: Sh4.9 U1.12 | length 2638.4
  Top Layer w10: U1.12@-1396.52,754.63 -1374.25,732.36 -1339.9,732.36 -1329.7,742.56 -1295.84,742.56 -1276.16,722.87 -1160.55,722.87 v1(-1133.43,750) ; v1(265,260.72) 323.5,319.22 323.5,351.96 329.8,358.26 Sh4.9@350,358.26
  Bottom Layer w10: v1(-1133.43,750) -1133.43,980.1 -1066.4,1047.13 -207.4,1047.13 -50,889.72 -50,526.24 211.24,265 v1@269.69,265
DataPinO: U1.11
G_EL1: CIN.2 COUT.2 JP6.1 | length 4512.1
  Top Layer w25: v1(292.1,1645) 353.01,1645 543.94,1835.92 944.3,1835.92 983.13,1797.09 1085,1797.09 ; JP6.1@1161.11,1868.8 1156.71,1868.8 1085,1797.09 ; COUT.2@1745,1815.47 1735.78,1815.47 1716.26,1835 1340,1835 1302.09,1797.09 1085,1797.09
  Bottom Layer w25: CIN.2@-2157.75,1612.64 -2037.13,1733.26 -2037.13,1787.87 -1949,1876 -1790.58,1876 -1708.91,1957.68 -1332.68,1957.68 -1211.81,1836.81 -629.89,1836.81 -536.69,1930 -169.09,1930 115.91,1645 v1(292.1,1645) v1@295,1645
G_EL2: CIN.3 COUT.3 JP6.3 | length 6308.1
  Bottom Layer w25: CIN.3@-2257.75,1652.8 -2360.31,1652.8 -2470,1762.48 -2470,2117.13 -2388.76,2198.37 625.4,2198.37 ; JP6.3@1161.11,2068.8 1145.3,2068.8 1024.67,2189.43 634.33,2189.43 625.4,2198.37 ; COUT.3@1845,1775.31 1985.67,1775.31 2060,1849.64 2060,2110 1971.63,2198.37 625.4,2198.37
G_EL3: CIN.4 COUT.4 JP5.1 | length 4372.9
  Top Layer w25: v1(257,1705) 366.52,1705 530.32,1868.8 JP5.1@1034.33,1868.8
  Bottom Layer w25: CIN.4@-2157.75,1692.95 -2070,1780.7 -2070,1801.49 -1962.61,1908.88 -1814.96,1908.88 -1733.29,1990.55 -1315.55,1990.55 -1194.68,1869.68 -643.5,1869.68 -550.31,1962.87 -155.47,1962.87 98.93,1708.48 261.52,1708.48 265,1705 v1(257,1705) ; JP5.1@1034.33,1868.8 1046.14,1868.8 1115.75,1799.19 1169.97,1799.19 1234.01,1735.16 COUT.4@1745,1735.16
G_EL4: CIN.5 COUT.5 JP5.3 | length 5684.2
  Top Layer w25: JP5.3@1034.33,2068.8 1046.14,2068.8 1172.34,2195 1960,2195 2065,2090 2065,1813.43 1946.57,1695 COUT.5@1845,1695
  Bottom Layer w25: CIN.5@-2257.75,1733.11 -2262.29,1737.65 -2324.78,1737.65 -2437.13,1850 -2437.13,2092.87 -2364.65,2165.35 574.82,2165.35 610.18,2130 961.32,2130 1022.52,2068.8 JP5.3@1034.33,2068.8